# Altium PCB CAN_Current_Module.PcbDoc (part 1 of 2) (continued)
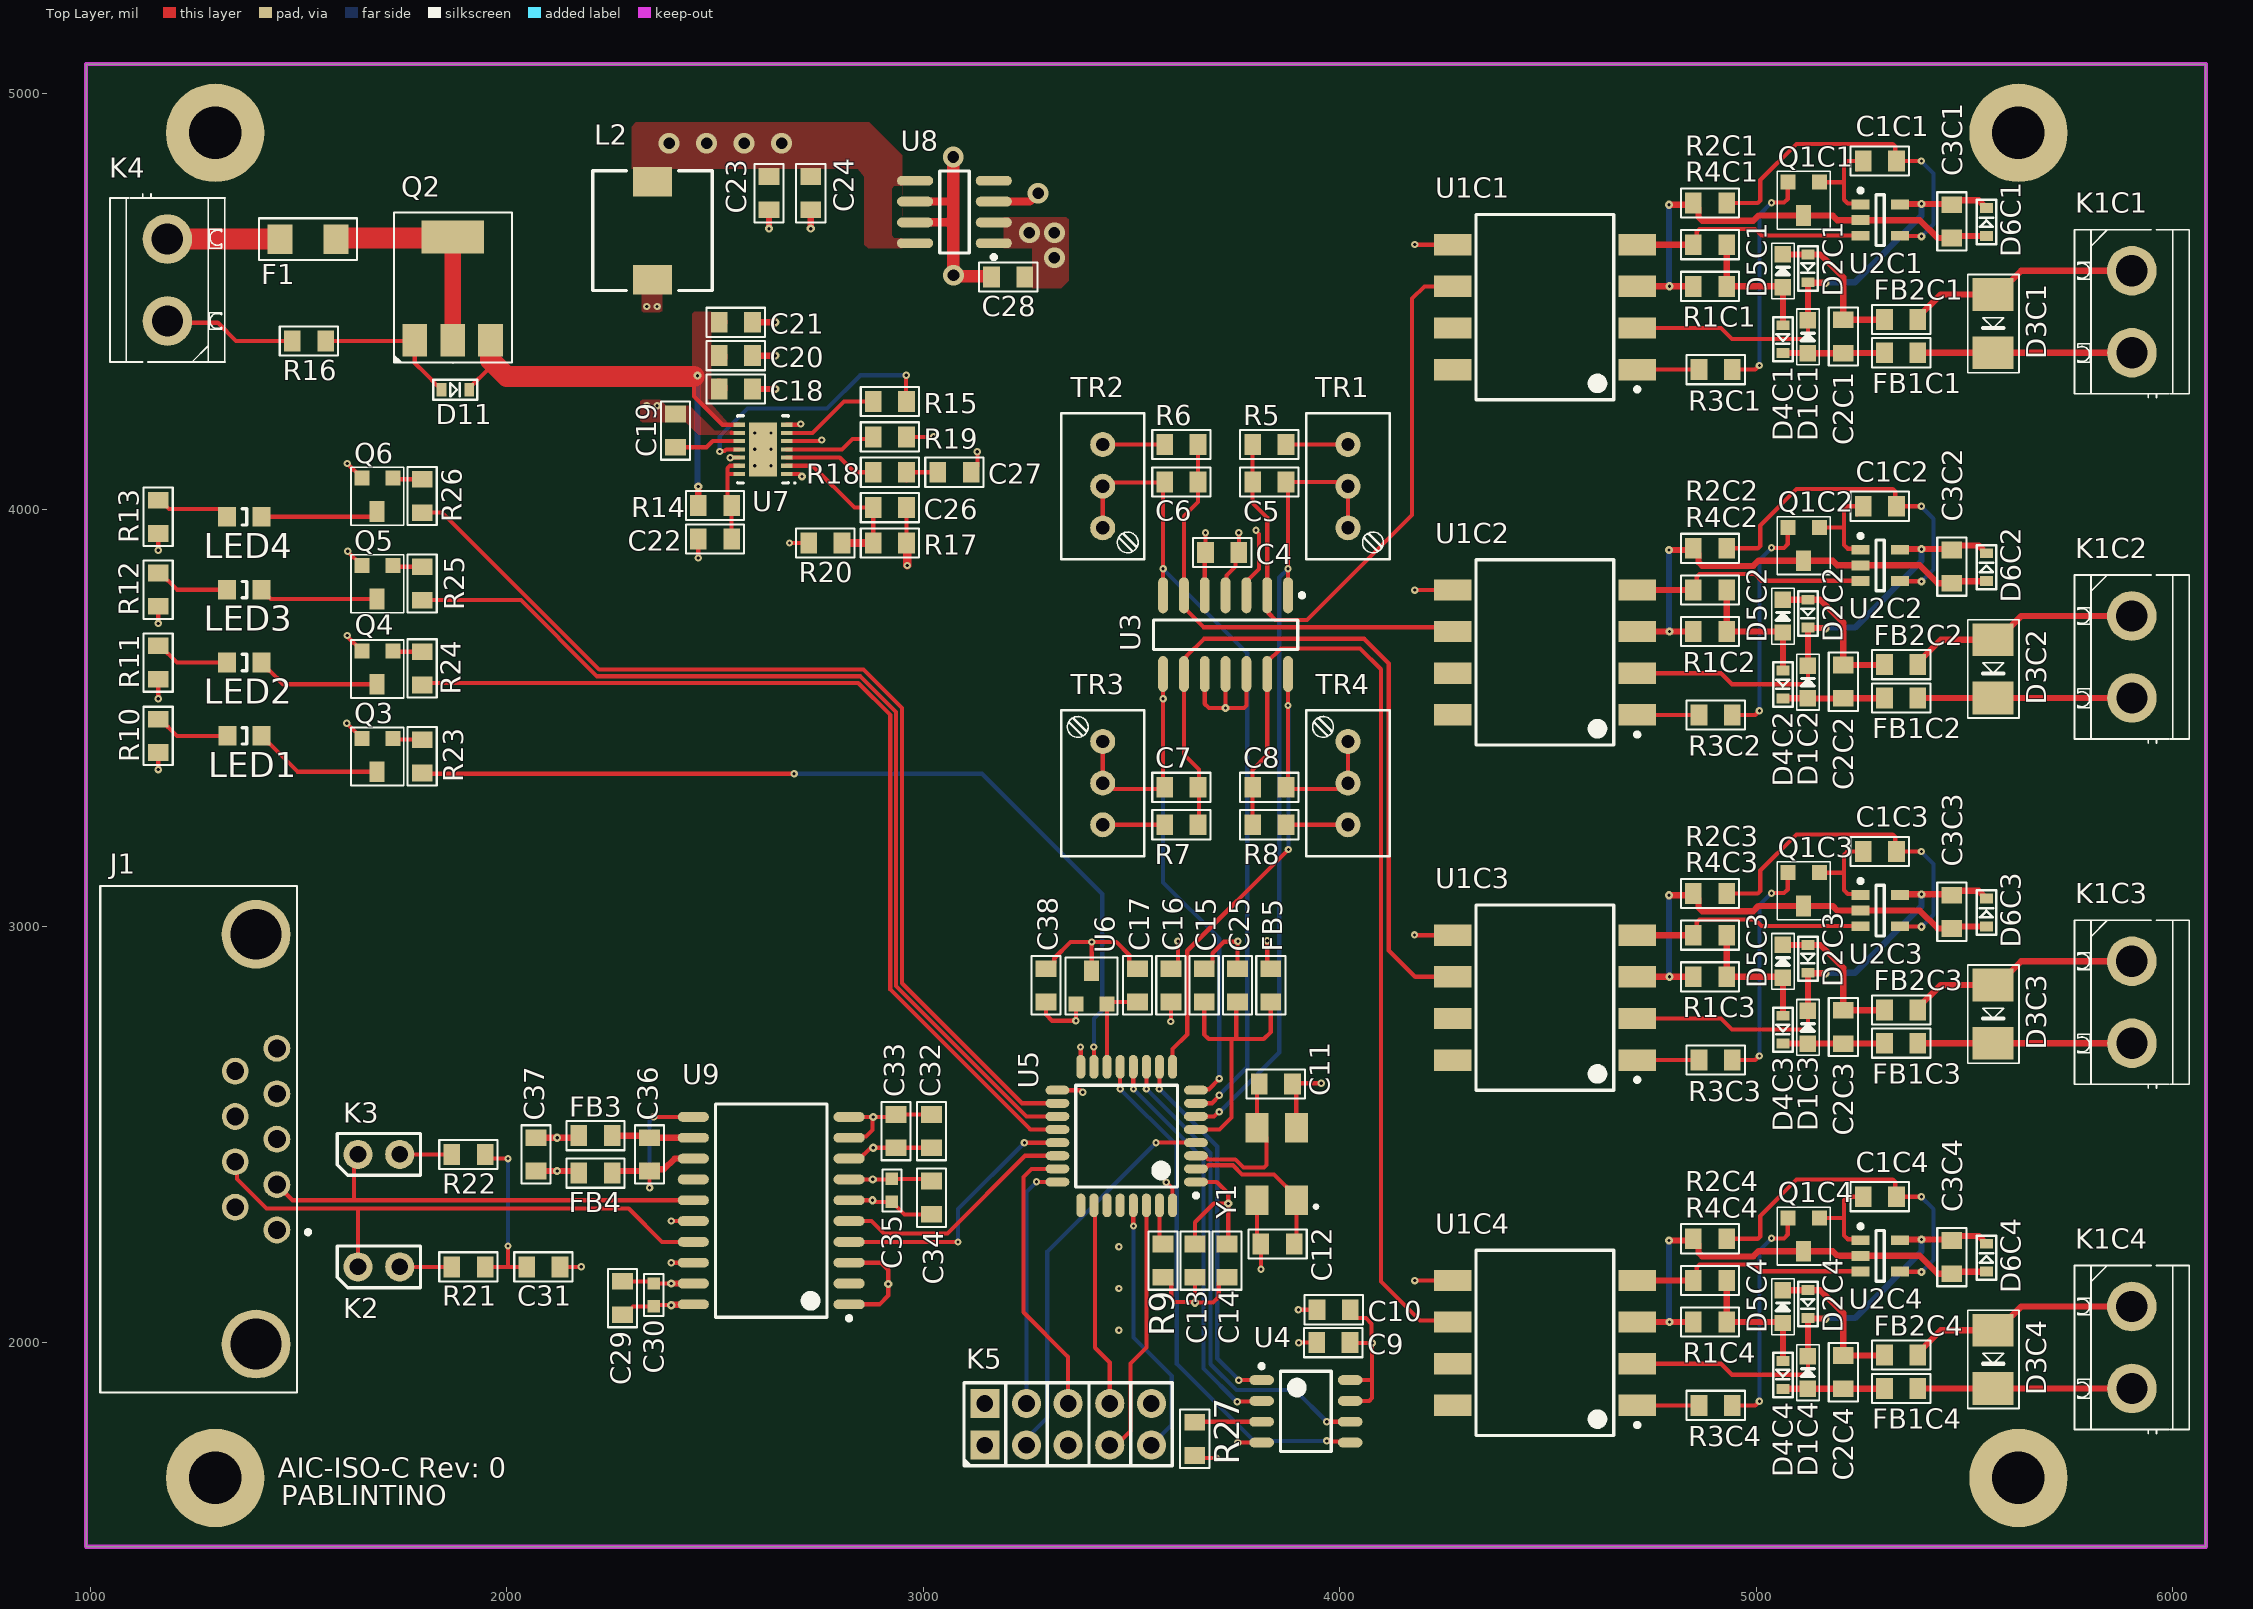
[diagram p0: Top Layer view]
## Design rules (kind name [scope] priority, off if disabled: settings)
BoardOutlineClearance [All] p1: gap=7.87 ignorepadtopadclearanceinfootprint=FALSE
Clearance TOP_GND_CLEARANCE_POWER [InNamedPolygon('GND_L01_P045') vs InNet('VCC_5') Or InNet('VCC_3V3') Or InNet('NetF1_1') Or InNet('NetF1_2') Or InNet('NetC18_1') Or InNet('NetC18_2') Or    InNet('NetC19_1') Or InNet('NetC19_2') Or InNet('NetC26_1') Or InNet('NetC22_2')] p1: gap=15 ignorepadtopadclearanceinfootprint=FALSE
Clearance TOP_BOT_POUR_GND_CLEARANCE [InNamedPolygon('GND_L01_P045')Or InNamedPolygon('GND_CAN_L01_P044') Or InNamedPolygon('GND_CAN_L04_P056') Or InNamedPolygon('GND_L04_P047')] p2: gap=7 ignorepadtopadclearanceinfootprint=FALSE
Clearance BOTTOM_GND_CLEARANCE_POWER [InNamedPolygon('GND_L04_P047') vs InNet('VCC_5') Or InNet('VCC_3V3') Or InNet('NetF1_1') Or InNet('NetF1_2') Or InNet('NetC18_1') Or InNet('NetC18_2') Or    InNet('NetC19_1') Or InNet('NetC19_2') Or InNet('NetC26_1')] p3: gap=15 ignorepadtopadclearanceinfootprint=FALSE
Clearance GND_PLANE_CLEARANCE [OnLayer('GND Plane')] p4: gap=15 ignorepadtopadclearanceinfootprint=FALSE
Clearance VCC_PLANE_CLEARANCE [OnLayer('VCC Plane')] p5: gap=15 ignorepadtopadclearanceinfootprint=FALSE
Clearance [All] p6: gap=4 ignorepadtopadclearanceinfootprint=FALSE except(5: Arc-Via Track-Via SMDPad-Via THPad-Via Via-Via Via-Fill Via-Poly Via-Region Via-Text; 9.84: Arc-Hole Track-Hole SMDPad-Hole THPad-Hole Via-Hole Fill-Hole Poly-Hole Region-Hole Text-Hole)
ComponentClearance [All] p1: gap=4 collisioncheckmode=3 verticalgap=4 showdistances=TRUE
DiffPairsRouting [All] p1: maxlimit=4 minlimit=4 mostfreqgap=4 toplayer_minwidth=4 toplayer_maxwidth=71497.94 toplayer_prefwidth=4 midlayer1_minwidth=4 midlayer1_maxwidth=71497.94 midlayer1_prefwidth=4 midlayer2_minwidth=4 midlayer2_maxwidth=71497.94 midlayer2_prefwidth=4 bottomlayer_minwidth=4 bottomlayer_maxwidth=71497.94 bottomlayer_prefwidth=4 maxuncoupledlength=500
Height [All] p1: minheight=0 maxheight=71497.94 prefheight=500
HoleSize [All] p1: absolutevalues=TRUE maxlimit=248.03 minlimit=7.87 maxpercent=80.000 minpercent=20.000
HoleToHoleClearance [All] p1: gap=9.84 allowstackedmicrovias=FALSE
MinimumAnnularRing [All] p1: minimumring=3
MinimumSolderMaskSliver [All] p1: minsoldermaskwidth=0
PlaneClearance [All] p1: clearance=8
PlaneConnect PlaneConnectPowerPads [InPadClass('PowerPads')] p1: planeconnectstyle=Direct reliefexpansion=20 reliefentries=4 reliefconductorwidth=10 reliefairgap=10
PlaneConnect [All] p2: planeconnectstyle=Direct reliefexpansion=11.81 reliefentries=4 reliefconductorwidth=4 reliefairgap=4
PolygonConnect VCC_IN_POL_STYLE [All vs IsNamedPolygon('NETC19_1_L01_P016') Or IsNamedPolygon('NETC19_1_L01_P017') Or IsNamedPolygon('NETC19_1_L04_P018') Or IsNamedPolygon('NETC18_2_L01_P021') Or IsNamedPolygon('NETC19_1_L01_P030') Or IsNamedPolygon('VCC_5_L01_P033')    Or IsNamedPolygon('VCC_5_L01_P034')    Or IsNamedPolygon('VCC_3V3_L01_P035')  Or IsNamedPolygon('VCC_3V3_L01_P036')  Or IsNamedPolygon('GND_CAN_L03_P052')  Or IsNamedPolygon('GND_CAN_L04_P056')] p1: connectstyle=Direct reliefconductorwidth=10 reliefentries=4 polygonreliefangle="90 Angle" airgapwidth=10
PolygonConnect GND_POLYGONS_CONNECTION [All vs IsNamedPolygon('GND_CAN_L01_P044') Or IsNamedPolygon('GND_L01_P045')     Or IsNamedPolygon('GND_CAN_L04_P056') Or IsNamedPolygon('GND_L04_P047')] p2: connectstyle=Relief reliefconductorwidth=10 reliefentries=4 polygonreliefangle="90 Angle" airgapwidth=7
PolygonConnect PolygonConnectPowerPads [All vs (InPadClass('PowerPads'))] p3: connectstyle=Direct reliefconductorwidth=10 reliefentries=4 polygonreliefangle="90 Angle" airgapwidth=10
PolygonConnect [All] p4: thpad.connectstyle=Relief thpad.reliefconductorwidth=4 thpad.reliefentries=4 thpad.polygonreliefangle="90 Angle" thpad.airgapwidth=4 smdpad.connectstyle=Relief smdpad.reliefconductorwidth=4 smdpad.reliefentries=4 smdpad.polygonreliefangle="90 Angle" smdpad.airgapwidth=4 via.connectstyle=Direct via.reliefconductorwidth=5 via.reliefentries=4 via.polygonreliefangle="90 Angle" via.airgapwidth=5
RoomDefinition ARM1 [InComponentClass('ARM1')] p1: confinementstyle=ConfineIn formatcopy=TRUE lockcomponents=FALSE outline 4216,4146 6080.41,4146 6080.41,4975 4216,4975
RoomDefinition ARM4 [InComponentClass('ARM4')] p2: confinementstyle=ConfineIn formatcopy=TRUE lockcomponents=FALSE outline 4216,1659 6080.41,1659 6080.41,2488 4216,2488
RoomDefinition ARM3 [InComponentClass('ARM3')] p3: confinementstyle=ConfineIn formatcopy=TRUE lockcomponents=FALSE outline 4216,2488 6080.41,2488 6080.41,3317 4216,3317
RoomDefinition ARM2 [InComponentClass('ARM2')] p4: confinementstyle=ConfineIn formatcopy=TRUE lockcomponents=FALSE outline 4216,3317 6080.41,3317 6080.41,4146 4216,4146
RoutingVias [All] p1: holewidth=7.87 width=17.72 viastyle="Through Hole" minholewidth=7.87 minwidth=17.72 maxholewidth=248.03 maxwidth=257.87
SilkToSilkClearance [All] p1: silktosilkclearance=0
SilkToSolderMaskClearance [IsPad] p1: minsilkscreentomaskgap=4 clearancetoexposedcopper=TRUE
SolderMaskExpansion [All] p1: expansion=2.95 istentingtop=FALSE
Width [All] p1: maxlimit=71497.94 minlimit=4 preferedwidth=4
20 further rules are at their usual default settings.

## Classes and differential pairs
polygon class DirectConnectClass: NETC19_1_L01_P017
channel class AnalogReceiverModule: ARM1 ARM2 ARM3 ARM4
net class ISOIN[1..4]: ISOIN1 ISOIN2 ISOIN3 ISOIN4
net class AICHN[1..4]: AICHN1 AICHN2 AICHN3 AICHN4
component class U_PowerModule: C18 C19 C20 C21 C22 C23 C24 C26 C27 C28 D11 F1 K4 L2 Q2 R14 R15 R16 R17 R18 R19 R20 U7 U8
component class U_CPU: C9 C10 C11 C12 C13 C14 C15 C16 C17 C25 C38 FB5 K5 LED1 LED2 LED3 LED4 Q3 Q4 Q5 Q6 R9 R10 R11 R12 R13 R23 R24 R25 R26 R27 U4 U5 U6 Y1
component class U_CanTransceiver: C29 C30 C31 C32 C33 C34 C35 C36 C37 FB3 FB4 J1 K2 K3 R21 R22 U9
component class U_AnalogueIsolatedReceiver: C4 C5 C6 C7 C8 R5 R6 R7 R8 TR1 TR2 TR3 TR4 U3
component class ARM4: C1C4 C2C4 C3C4 D1C4 D2C4 D3C4 D4C4 D5C4 D6C4 FB1C4 FB2C4 K1C4 Q1C4 R1C4 R2C4 R3C4 R4C4 U1C4 U2C4
component class ARM3: C1C3 C2C3 C3C3 D1C3 D2C3 D3C3 D4C3 D5C3 D6C3 FB1C3 FB2C3 K1C3 Q1C3 R1C3 R2C3 R3C3 R4C3 U1C3 U2C3
component class ARM2: C1C2 C2C2 C3C2 D1C2 D2C2 D3C2 D4C2 D5C2 D6C2 FB1C2 FB2C2 K1C2 Q1C2 R1C2 R2C2 R3C2 R4C2 U1C2 U2C2
component class ARM1: C1C1 C2C1 C3C1 D1C1 D2C1 D3C1 D4C1 D5C1 D6C1 FB1C1 FB2C1 K1C1 Q1C1 R1C1 R2C1 R3C1 R4C1 U1C1 U2C1
differential pair OSC: +OSC_P -OSC_N

## Components (designator, comment, footprint, x,y, rotation, side; value= is the part's Value field where it differs from the comment)
C1C1 "Cap" 0805C-GENERIC 5327,4837.41 r180 top value=1nF (schematic designator C1)
C1C2 "Cap" 0805C-GENERIC 5327,4008.41 r180 top value=1nF (schematic designator C1)
C1C3 "Cap" 0805C-GENERIC 5327,3179.41 r180 top value=1nF (schematic designator C1)
C1C4 "Cap" 0805C-GENERIC 5327,2350.41 r180 top value=1nF (schematic designator C1)
C2C1 "Cap" 0805C-GENERIC 5209.41,4446 r270 top value=10nF (schematic designator C2)
C2C2 "Cap" 0805C-GENERIC 5209.41,3617 r270 top value=10nF (schematic designator C2)
C2C3 "Cap" 0805C-GENERIC 5209.41,2788 r270 top value=10nF (schematic designator C2)
C2C4 "Cap" 0805C-GENERIC 5209.41,1959 r270 top value=10nF (schematic designator C2)
C3C1 "Cap" 0805C-GENERIC 5470,4662.41 r90 top value=100nF (schematic designator C3)
C3C2 "Cap" 0805C-GENERIC 5470,3833.41 r90 top value=100nF (schematic designator C3)
C3C3 "Cap" 0805C-GENERIC 5470,3004.41 r90 top value=100nF (schematic designator C3)
C3C4 "Cap" 0805C-GENERIC 5470,2175.41 r90 top value=100nF (schematic designator C3)
C4 "Cap" 0805C-GENERIC 3748,3897.49 r180 top value=100nF
C5 "Cap" 0805C-GENERIC 3861,4066.49 r180 top value=1nF
C6 "Cap" 0805C-GENERIC 3590,4066.49 r0 top value=1nF
C7 "Cap" 0805C-GENERIC 3590,3333.49 r0 top value=1nF
C8 "Cap" 0805C-GENERIC 3861,3333.49 r180 top value=1nF
C9 "Cap" 0805C-GENERIC 3954.69,2000 r0 top value=100nF
C10 "Cap" 0805C-GENERIC 3955.69,2079 r0 top value=10nF
C11 "Cap" 0805C-GENERIC 3876.68,2621 r180 top value=20pF
C12 "Cap" 0805C-GENERIC 3820.93,2237 r0 top value=20pF
C13 "Cap" 0805C-GENERIC 3652.68,2167 r90 top value=100nF
C14 "Cap" 0805C-GENERIC 3729.68,2167 r90 top value=10nF
C15 "Cap" 0805C-GENERIC 3674.68,2888 r270 top value=1uF
C16 "Cap" 0805C-GENERIC 3594.68,2888 r270 top value=100nF
C17 "Cap" 0805C-GENERIC 3514.68,2888 r270 top value=680pF
C18 "Cap" 0805C-GENERIC 2580,4290 r180 top value=1uF
C19 "Cap" 0805C-GENERIC 2405,4220 r270 top value=0.1uF
C20 "Cap" 0805C-GENERIC 2580,4370 r180 top value=10uF
C21 "Cap" 0805C-GENERIC 2580,4450 r180 top value=10uF
C22 "Cap" 0805C-GENERIC 2470,3930 r0 top value=2.2uF
C23 "Cap" 0805C-GENERIC 2630,4730 r90 top value=4.7uF
C24 "Cap" 0805C-GENERIC 2730,4730 r90 top value=4.7uF
C25 "Cap" 0805C-GENERIC 3754.68,2888 r270 top value=100nF
C26 "Cap" 0805C-GENERIC 2890,4005 r0 top value=5.6pF
C27 "Cap" 0805C-GENERIC 3105,4090 r180 top value=180pF
C28 "Cap" 0805C-GENERIC 3174,4559 r0 top value=10uF
C29 "Cap" 0805C-GENERIC 2278,2137 r270 top value=100nF
C30 "Cap" 0603C-GENERIC 2353,2142 r270 top value=10nF
C31 "Cap" 0805C-GENERIC 2118,2182 r180 top value=47nF
C32 "Cap" 0805C-GENERIC 3020,2538 r270 top value=10uF
C33 "Cap" 0805C-GENERIC 2935,2538 r270 top value=100nF
C34 "Cap" 0805C-GENERIC 3020,2378 r270 top value=100nF
C35 "Cap" 0603C-GENERIC 2925,2393 r270 top value=10nF
C36 "Cap" 0805C-GENERIC 2343,2422 r90 top value=100nF
C37 "Cap" 0805C-GENERIC 2070,2422 r90 top value=10uF
C38 "Cap" 0805C-GENERIC 3294.68,2888 r270 top value=10nF
D1C1 "BAT46" SOD323 5124.41,4376 r270 top (schematic designator D1)
D1C2 "BAT46" SOD323 5124.41,3547 r270 top (schematic designator D1)
D1C3 "BAT46" SOD323 5124.41,2718 r270 top (schematic designator D1)
D1C4 "BAT46" SOD323 5124.41,1889 r270 top (schematic designator D1)
D2C1 "CDSU101A" SOD523 5124.41,4546.07 r90 top (schematic designator D2)
D2C2 "CDSU101A" SOD523 5124.41,3717.07 r90 top (schematic designator D2)
D2C3 "CDSU101A" SOD523 5124.41,2888.07 r90 top (schematic designator D2)
D2C4 "CDSU101A" SOD523 5124.41,2059.07 r90 top (schematic designator D2)
D3C1 "SM6T39CA" DO214AA 5569.41,4551.21 r90 top (schematic designator D3)
D3C2 "SM6T39CA" DO214AA 5569.41,3722.21 r90 top (schematic designator D3)
D3C3 "SM6T39CA" DO214AA 5569.41,2893.21 r90 top (schematic designator D3)
D3C4 "SM6T39CA" DO214AA 5569.41,2064.21 r90 top (schematic designator D3)
D4C1 "CDSU101A" SOD523 5064.41,4376.07 r90 top (schematic designator D4)
D4C2 "CDSU101A" SOD523 5064.41,3547.07 r90 top (schematic designator D4)
D4C3 "CDSU101A" SOD523 5064.41,2718.07 r90 top (schematic designator D4)
D4C4 "CDSU101A" SOD523 5064.41,1889.07 r90 top (schematic designator D4)
D5C1 "BAT46" SOD323 5064.41,4534.26 r270 top (schematic designator D5)
D5C2 "BAT46" SOD323 5064.41,3705.26 r270 top (schematic designator D5)
D5C3 "BAT46" SOD323 5064.41,2876.26 r270 top (schematic designator D5)
D5C4 "BAT46" SOD323 5064.41,2047.26 r270 top (schematic designator D5)
D6C1 "BZX585-3V3" SOD523 5553,4724.41 r270 top (schematic designator D6)
D6C2 "BZX585-3V3" SOD523 5553,3895.41 r270 top (schematic designator D6)
D6C3 "BZX585-3V3" SOD523 5553,3066.41 r270 top (schematic designator D6)
D6C4 "BZX585-3V3" SOD523 5553,2237.41 r270 top (schematic designator D6)
D11 "BZX585-10" SOD523 1910,4288 r180 top
F1 "1206L035" 1206-polyswitch 1455,4650 r0 top
FB1C1 "600Z" 0805FB-600Z 5378.41,4377 r180 top (schematic designator FB1)
FB1C2 "600Z" 0805FB-600Z 5378.41,3548 r180 top (schematic designator FB1)
FB1C3 "600Z" 0805FB-600Z 5378.41,2719 r180 top (schematic designator FB1)
FB1C4 "600Z" 0805FB-600Z 5378.41,1890 r180 top (schematic designator FB1)
FB2C1 "600Z" 0805FB-600Z 5378.41,4457 r180 top (schematic designator FB2)
FB2C2 "600Z" 0805FB-600Z 5378.41,3628 r180 top (schematic designator FB2)
FB2C3 "600Z" 0805FB-600Z 5378.41,2799 r180 top (schematic designator FB2)
FB2C4 "600Z" 0805FB-600Z 5378.41,1970 r180 top (schematic designator FB2)
FB3 "1K8Z" 0805FB-GENERIC 2243,2497 r180 top
FB4 "1K8Z" 0805FB-GENERIC 2243,2407 r180 top
FB5 "600Z" 0805FB-GENERIC 3834.68,2888 r270 top
J1 "DSUB9-HARTING" HARTING_09681537613 1398,2488.61 r270 top
K1C1 "PRKR2" PRKR2 5902.17,4573.82 r180 top (schematic designator K1)
K1C2 "PRKR2" PRKR2 5902.17,3744.82 r180 top (schematic designator K1)
K1C3 "PRKR2" PRKR2 5902.17,2915.82 r180 top (schematic designator K1)
K1C4 "PRKR2" PRKR2 5902.17,2086.82 r180 top (schematic designator K1)
K2 "JMPR2" JMPR2 1643,2182 r90 top
K3 "JMPR2" JMPR2 1643,2452 r90 top
K4 "PRKR2" PRKR2 1185.24,4453.18 r0 top
K5 "ICD Connector" HEADER-2X5 3148,1754 r90 top
L2 "10uH" INDP7070X34N 2350,4670 r90 top
LED1 "150080GS75000" 0805_A#1 1370,3457 r180 top
LED2 "150080GS75000" 0805_A#2 1370,3633 r180 top
LED3 "150080GS75000" 0805_A#2 1370,3808 r180 top
LED4 "150080GS75000" 0805_A#2 1370,3983 r180 top
Q1C1 "MMBT3906" SOT23-BCE 5152,4786.41 r270 top (schematic designator Q1)
Q1C2 "MMBT3906" SOT23-BCE 5152,3957.41 r270 top (schematic designator Q1)
Q1C3 "MMBT3906" SOT23-BCE 5152,3128.41 r270 top (schematic designator Q1)
Q1C4 "MMBT3906" SOT23-BCE 5152,2299.41 r270 top (schematic designator Q1)
Q2 "BSP613P" SOT223 1870,4514 r0 top
Q3 "MMBT3904" SOT23-BCE 1727,3451 r270 top
Q4 "MMBT3904" SOT23-BCE 1727,3661 r270 top
Q5 "MMBT3904" SOT23-BCE 1727,3866 r270 top
Q6 "MMBT3904" SOT23-BCE 1727,4076 r270 top
R1C1 "Res1" 0805R-GENERIC 4859.41,4536.41 r0 top value=25 (schematic designator R1)
R1C2 "Res1" 0805R-GENERIC 4859.41,3707.41 r0 top value=25 (schematic designator R1)
R1C3 "Res1" 0805R-GENERIC 4859.41,2878.41 r0 top value=25 (schematic designator R1)
R1C4 "Res1" 0805R-GENERIC 4859.41,2049.41 r0 top value=25 (schematic designator R1)
R2C1 "Res1" 0805R-GENERIC 4859.41,4736.41 r0 top value=10K (schematic designator R2)
R2C2 "Res1" 0805R-GENERIC 4859.41,3907.41 r0 top value=10K (schematic designator R2)
R2C3 "Res1" 0805R-GENERIC 4859.41,3078.41 r0 top value=10K (schematic designator R2)
R2C4 "Res1" 0805R-GENERIC 4859.41,2249.41 r0 top value=10K (schematic designator R2)
R3C1 "Res1" 0805R-GENERIC 4933,4336.41 r180 top value=100 (schematic designator R3)
R3C2 "Res1" 0805R-GENERIC 4933,3507.41 r180 top value=100 (schematic designator R3)
R3C3 "Res1" 0805R-GENERIC 4933,2678.41 r180 top value=100 (schematic designator R3)
R3C4 "Res1" 0805R-GENERIC 4933,1849.41 r180 top value=100 (schematic designator R3)
R4C1 "Res1" 0805R-GENERIC 4859.41,4636.41 r0 top value=10K (schematic designator R4)
R4C2 "Res1" 0805R-GENERIC 4859.41,3807.41 r0 top value=10K (schematic designator R4)
R4C3 "Res1" 0805R-GENERIC 4859.41,2978.41 r0 top value=10K (schematic designator R4)
R4C4 "Res1" 0805R-GENERIC 4859.41,2149.41 r0 top value=10K (schematic designator R4)
R5 "Res1" 0805R-GENERIC 3861,4156.49 r180 top value=47.5K
R6 "Res1" 0805R-GENERIC 3590,4156.49 r0 top value=47.5K
R7 "Res1" 0805R-GENERIC 3590,3243.49 r0 top value=47.5K
R8 "Res1" 0805R-GENERIC 3861,3243.49 r180 top value=47.5K
R9 "Res1" 0805R-GENERIC 3575.68,2227 r270 top value=10K
R10 "Res1" 0805R-GENERIC 1163,3427 r90 top value=270
R11 "Res1" 0805R-GENERIC 1163,3603 r90 top value=270
R12 "Res1" 0805R-GENERIC 1163,3778 r90 top value=270
R13 "Res1" 0805R-GENERIC 1163,3953 r90 top value=270
R14 "Res1" 0805R-GENERIC 2470,4010 r0 top value=2
R15 "Res1" 0805R-GENERIC 2950,4260 r180 top value=100K
R16 "Res1" 0805R-GENERIC 1555,4405 r180 top value=100k
R17 "Res1" 0805R-GENERIC 2890,3920 r0 top value=619K
R18 "Res1" 0805R-GENERIC 2950,4090 r180 top value=124k
R19 "Res1" 0805R-GENERIC 2950,4175 r180 top value=60.4k
R20 "Res1" 0805R-GENERIC 2735,3920 r0 top value=84.5K
R21 "Res1" 0805R-GENERIC 1938,2182 r180 top value=60.4
R22 "Res1" 0805R-GENERIC 1938,2452 r180 top value=60.4
R23 "Res1" 0805R-GENERIC 1797,3378 r90 top value=10k
R24 "Res1" 0805R-GENERIC 1797,3589 r90 top value=10k
R25 "Res1" 0805R-GENERIC 1797,3793 r90 top value=10k
R26 "Res1" 0805R-GENERIC 1797,4003 r90 top value=10k
R27 "Res1" 0805R-GENERIC 3652,1799 r270 top value=100K
TR1 "50K" TRIMMER-MT 4020,4156.49 r270 top
TR2 "50K" TRIMMER-MT 3431,4156.49 r270 top
TR3 "50K" TRIMMER-MT 3431,3243.49 r90 top
TR4 "50K" TRIMMER-MT 4020,3243.49 r90 top
U1C1 "HCNR200" SOP254P1230X400-8N-GWS 4493,4486.41 r180 top (schematic designator U1)
U1C2 "HCNR200" SOP254P1230X400-8N-GWS 4493,3657.41 r180 top (schematic designator U1)
U1C3 "HCNR200" SOP254P1230X400-8N-GWS 4493,2828.41 r180 top (schematic designator U1)
U1C4 "HCNR200" SOP254P1230X400-8N-GWS 4493,1999.41 r180 top (schematic designator U1)
U2C1 "TLV2371IDBVRG4" TI-DBV5_N 5298,4695.41 r0 top (schematic designator U2)
U2C2 "TLV2371IDBVRG4" TI-DBV5_N 5298,3866.41 r0 top (schematic designator U2)
U2C3 "TLV2371IDBVRG4" TI-DBV5_N 5298,3037.41 r0 top (schematic designator U2)
U2C4 "TLV2371IDBVRG4" TI-DBV5_N 5298,2208.41 r0 top (schematic designator U2)
U3 "TLV2374IDG4" TI-D14_N 3726,3700 r270 top
U4 "25LC512" SOIC127P600-8N 3919,1835 r0 top
U5 "STM32F303K8" TQFP80P900X900X160-32N 3488.68,2496 r180 top
U6 "TMP235" SOT23-123 3366.68,2813 r90 top
U7 "LTC3646HDE-1#TRPBF" LT-DE-14_V 2615,4145 r180 top
U8 "LT1763IS8-3.3#TRPBF" LT-S8-8_N 3075,4715 r180 top
U9 "ADM3053" SOIC127P1030X265-20N-WIDE 2635.01,2317 r180 top
Y1 "8MHz" *OSCCC600X360X120 3848.68,2429 r180 top

## Footprints (in the part's own frame and the unit in brackets; to place one, negate y for a bottom-side part, rotate by r counter-clockwise, add the part's x,y. Pads: shape width x height; smd on the part's side, far side on the other; paste and mask are expansions set on the pad)
0603C-GENERIC [mil] "CAPACITOR 0603"
  rect 30x30 smd: 1(0,0) 2(55,0)
  silkscreen extent -23,-23 78,23, body extent -4,-15 59,15, height 19
0805_A#1 [mm] "Chip LED, 2-Leads, Body 2.0x1.3mm, IPC Medium Density"
  rect 1.1x1.2 smd: 1(-1.05,0) 2(1.041,0)
  silkscreen extent -0.15,-0.5 0.15,0.5, body extent -1,-0.62 1,0.63, height 0.8
0805_A#2 [mm] "Chip LED, 2-Leads, Body 2.0x1.3mm, IPC Medium Density"
  rect 1.1x1.2 smd: 1(-1.05,0) 2(1.05,0)
  silkscreen extent -0.15,-0.5 0.15,0.5, body extent -1,-0.62 1,0.63, height 0.8
0805C-GENERIC [mil] "CAPACITOR 0805"
  rect 40x50 smd: 1(-10,0) 2(70,0)
  silkscreen extent -40,-35 100,35, body extent -11,-25 70,25, height 26
0805FB-600Z [mil] "FERRITE BEAD 0805"
  rect 40x50 smd: 1(-10,0) 2(70,0)
  silkscreen extent -40,-35 100,35, body extent -11,-25 70,25, height 26
0805FB-GENERIC [mil] "FERRITE BEAD 0805"
  rect 40x50 smd: 1(-10,0) 2(70,0)
  silkscreen extent -40,-35 100,35, body extent -11,-25 70,25, height 26
0805R-GENERIC [mil] "RESISTOR 0805"
  rect 40x50 smd: 1(-10,0) 2(70,0)
  silkscreen extent -40,-35 100,35, body extent -11,-25 70,25, height 27
1206-polyswitch [mil]
  rect 60x70.87 smd: 1(0,0) 2(135,0)
  silkscreen extent -50,-50 185,50, body extent -8,-29 147,29, height 46
*OSCCC600X360X120 [mm]
  rect 1.4x1.8 smd: 1(-1.2,2.2) 2(-1.2,-2.2) 3(1.2,-2.2) 4(1.2,2.2)
  silkscreen extent -2.5,2.5 -2.3,2.7
DO214AA [mm]
  rect 2x2.5 smd: A(-0.875,0) K(-4.425,0)
  silkscreen extent -5.65,-1.58 0.35,1.55, body extent -5.2,-1.3 0,1.3, height 2.4
HARTING_09681537613 [mm]
  round 1.635 hole 1.09: 1(5.54,1.27) 2(2.77,1.27) 3(0,1.27) 4(-2.77,1.27) 5(-5.54,1.27) 6(4.15,-1.27) 7(1.38,-1.27) 8(-1.38,-1.27) 9(-4.15,-1.27)
  round 4.2 hole 3.1: S1(-12.5,0) S2(12.5,0)
  silkscreen extent -15.45,-9.5 15.45,3.27
HEADER-2X5 [mil]
  rect 70x70 hole 40: 1(0,0) 2(100,0)
  round 70 hole 40: 3(0,-100) 4(100,-100) 5(0,-200) 6(100,-200) 7(0,-300) 8(100,-300) 9(0,-400) 10(100,-400)
  silkscreen extent -50,-450 150,50, body extent -50,-450 150,50, height 470
INDP7070X34N [mm] "Precision Wire Wound Inductor, 2-Leads, Body 7,00x7,00mm, IPC Medium Density"
  rect 1.8x2.4 smd: 1(-3,0) 2(3,0)
  silkscreen extent -3.65,-3.65 3.65,3.65, body extent -3.65,-3.65 3.65,3.65, height 3.4
JMPR2 [mil]
  round 70 hole 40: 1(0,0) 2(0,-100)
  silkscreen extent -50,-150 50,50, body extent -50,-150 50,50, height 300
LT-DE-14_V [mm] "SON, 14-Leads, Body 4x3mm, Pitch 0.5mm, Thermal Pad 3.3x1.7mm"
  rect 0.7x0.25 smd: 1(-1.45,1.5) 2(-1.45,1) 3(-1.45,0.5) 4(-1.45,0) 5(-1.45,-0.5) 6(-1.45,-1) 7(-1.45,-1.5) 8(1.45,-1.5) 9(1.45,-1) 10(1.45,-0.5) 11(1.45,0) 12(1.45,0.5) 13(1.45,1) 14(1.45,1.5)
  rect 1.7x3.3 smd: 15(0,0)
  silkscreen extent -2,-2.05 1.55,2.1, body extent -1.5,-2 1.5,2, height 0.8
LT-S8-8_N [mm] "SOIC, 8-Leads, Body 4.9x3.9mm, Pitch 1.27mm, IPC Medium Density"
  oval 2.2x0.6 smd: 1(-2.4,1.905) 2(-2.4,0.635) 3(-2.4,-0.635) 4(-2.4,-1.905) 5(2.4,-1.905) 6(2.4,-0.635) 7(2.4,0.635) 8(2.4,1.905)
  silkscreen extent -2.53,-2.5 0.9,2.88, body extent -2,-2.5 2,2.5, height 1.76
PRKR2 [mil]
  round 119 hole 75: 1(0,0) 2(-0.24,196.82)
  silkscreen extent -138,-98 138,305, body extent -160,-115 160,309, height 398
SOD323 [mm]
  rect 1x1 smd: A(0,0) K(-2,0)
  silkscreen extent -2.69,-0.69 0.71,0.69, body extent -2.23,-0.65 0.18,0.65, height 0.74
SOD523 [mm]
  rect 0.6x0.8 smd: A(1.7,0) K(0,0)
  silkscreen extent -0.5,-0.6 2.2,0.6, body extent -0.05,-0.53 1.75,0.55, height 0.53
SOIC127P600-8N [mm]
  oval 1.5x0.6 smd: 1(-2.7,1.905) 2(-2.7,0.635) 3(-2.7,-0.635) 4(-2.7,-1.905) 5(2.7,-1.905) 6(2.7,-0.635) 7(2.7,0.635) 8(2.7,1.905)
  silkscreen extent -2.82,-2.45 1.55,2.88, body extent -1.95,-2.45 1.95,2.45, height 1.75
SOIC127P1030X265-20N-WIDE [mm] "SOIC-W, 20-Leads, Body 12,80x7,50mm, Pitch 1,27mm, IPC Medium Density"
  oval 1.9x0.6 smd: 1(-4.75,5.715) 2(-4.75,4.445) 3(-4.75,3.175) 4(-4.75,1.905) 5(-4.75,0.635) 6(-4.75,-0.635) 7(-4.75,-1.905) 8(-4.75,-3.175) 9(-4.75,-4.445) 10(-4.75,-5.715) 11(4.75,-5.715) 12(4.75,-4.445) 13(4.75,-3.175) 14(4.75,-1.905) 15(4.75,-0.635) 16(4.75,0.635) 17(4.75,1.905) 18(4.75,3.175) 19(4.75,4.445) 20(4.75,5.715)
  silkscreen extent -4.88,-6.5 3.4,6.69, body extent -3.8,-6.5 3.8,6.5, height 2.65
SOP254P1230X400-8N-GWS [mm] "SOP, 8-Leads, Body 11,15x8,95mm, Pitch 2,54mm, IPC Medium Density"
  rect 2.29x1.3 smd: 1(-5.625,3.81) 2(-5.625,1.27) 3(-5.625,-1.27) 4(-5.625,-3.81) 5(5.625,-3.81) 6(5.625,-1.27) 7(5.625,1.27) 8(5.625,3.81)
  silkscreen extent -5.75,-5.65 4.2,5.65, body extent -6.15,-5.65 6.15,5.65, height 4
SOT23-123 [mil]
  rect 36x36 smd: 1(0,0) 2(0,-75)
  rect 50x36 smd: 3(80,-38)
  silkscreen extent -25,-100 112,25, body extent -3,-95 94,20, height 41
SOT23-BCE [mil]
  rect 36x36 smd: B(0,0) E(0,-75)
  rect 50x36 smd: C(80,-38)
  silkscreen extent -26,-101 113,26, body extent -3,-95 94,20, height 41
SOT223 [mil]
  rect 59x79 smd: 1(-91,-107) 2(0,-107) 3(91,-107)
  rect 150x79 smd: 4(0,141)
  silkscreen extent -141,-161 143,200, body extent -131,-105 135,162, height 51
TI-D14_N [mm] "SOIC, 14-Leads, Body 8.65x3.9mm, Pitch 1.27mm, IPC Medium Density"
  oval 2.2x0.6 smd: 1(-2.4,3.81) 2(-2.4,2.54) 3(-2.4,1.27) 4(-2.4,0) 5(-2.4,-1.27) 6(-2.4,-2.54) 7(-2.4,-3.81) 8(2.4,-3.81) 9(2.4,-2.54) 10(2.4,-1.27) 11(2.4,0) 12(2.4,1.27) 13(2.4,2.54) 14(2.4,3.81)
  silkscreen extent -2.52,-4.4 0.9,4.79, body extent -2,-4.38 2,4.38, height 1.75
TI-DBV5_N [mm] "SOT23, 5-Leads, Body 2.9x1.6mm, Pitch 0.95mm, IPC Medium Density"
  rect 1.1x0.6 smd: 1(-1.2,0.95) 2(-1.2,0) 3(-1.2,-0.95) 4(1.2,-0.95) 5(1.2,0.95)
  silkscreen extent -1.32,-1.55 0.25,1.92, body extent -0.87,-1.52 0.87,1.53, height 1.45
TQFP80P900X900X160-32N [mm] "TQFP, 32-Leads, Body 7,00x7,00mm, Pitch 0,80mm, IPC Medium Density"
  oval 1.45x0.55 smd: 1(-4.225,2.8) 2(-4.225,2) 3(-4.225,1.2) 4(-4.225,0.4) 5(-4.225,-0.4) 6(-4.225,-1.2) 7(-4.225,-2) 8(-4.225,-2.8) 17(4.225,-2.8) 18(4.225,-2) 19(4.225,-1.2) 20(4.225,-0.4) 21(4.225,0.4) 22(4.225,1.2) 23(4.225,2) 24(4.225,2.8)
  oval 0.55x1.45 smd: 9(-2.8,-4.225) 10(-2,-4.225) 11(-1.2,-4.225) 12(-0.4,-4.225) 13(0.4,-4.225) 14(1.2,-4.225) 15(2,-4.225) 16(2.8,-4.225) 25(2.8,4.225) 26(2,4.225) 27(1.2,4.225) 28(0.4,4.225) 29(-0.4,4.225) 30(-1.2,4.225) 31(-2,4.225) 32(-2.8,4.225)
  silkscreen extent -4.35,-3.1 3.1,3.75, body extent -3.5,-3.5 3.5,3.5, height 1.6
TRIMMER-MT [mil]
  round 60 hole 32: 1(0,0) 2(200,0) W(100,0)
  silkscreen extent -75,-100 275,100

## Part data
C1C1 C1C2 C1C3 C1C4 C2C1 C2C2 C2C3 C2C4 C3C1 C3C2 C3C3 C3C4 C4 C5 C6 C7 C8 C9 C10 C11 C12 C13 C14 C15 C16 C17 C18 C19 C20 C21 C22 C23 C24 C25 C26 C27 C28 C29 C30 C31 C32 C33 C34 C35 C36 C37 C38: "Capacitor", LatestRevisionDate=17-Jul-2002, LatestRevisionNote="Re-released for DXP Platform.", PackageDescription="Radial Cap, Thru-Hole; 2 Leads; 0.3 in Pin Spacing", PackageReference=RAD-0.3, Published=8-Jun-2000, Publisher="Altium Limited"
D1C1 D1C2 D1C3 D1C4 D5C1 D5C2 D5C3 D5C4: library part BAT46-SOD323, "Schottky diode", Supplier Part Number 1=1727-4817-1-ND, Supplier 1=Digi-Key
D2C1 D2C2 D2C3 D2C4 D4C1 D4C2 D4C3 D4C4: "CDSU101A DIODE", Supplier Part Number 1=641-1002-1-ND, Supplier 1=Digi-Key
D3C1 D3C2 D3C3 D3C4: "Transient Surpression Diode TVS", Supplier Part Number 1=497-6498-1-ND, Supplier 1=Digi-Key
D6C1 D6C2 D6C3 D6C4: "3V3 Zener Diode", Manufacturer=STMicroelectronics, Manufacturer Part Number=SM2T6V8A, Supplier Part Number=497-7879-2-ND, Supplier Part Number 1=1727-5001-1-ND, Reel=D6, Supplier=Digi-Key, Supplier 1=Digi-Key
D11: "20V Zener Diode", Manufacturer=STMicroelectronics, Manufacturer Part Number=SM2T6V8A, Supplier Part Number=497-7879-2-ND, Supplier Part Number 1=BZX585-C10,135, Reel=D6, Supplier=Digi-Key, Supplier 1=Avnet
F1: "GENERIC FUSE", Supplier Part Number 1=576-1206L035/30WR, Supplier 1=Mouser
FB1C1 FB1C2 FB1C3 FB1C4 FB2C1 FB2C2 FB2C3 FB2C4: library part 0805FB-600Z, "FERRITE BEAD 600 OHM 2A", Reel=F5
FB3 FB4 FB5: library part 0805FB-GENERIC, "FERRITE BEAD SMD"
J1: "Receptacle Assembly, 9 Position, Right Angle", PackageDocument=O, DatasheetDocument=1-Sep-1999, Gender=Receptacle, LatestRevisionDate=17-Jul-2002, LatestRevisionNote="Re-released for DXP Platform.", Orientation="Right Angle", PackageReference=788750, Positions=9, Published=15-Jun-2001, Publisher="Altium Limited"
K1C1 K1C2 K1C3 K1C4 K4: "SCREW TERMINAL 5MM"
K2 K3: "JMPR2 OPEN BY DEFAULT", Manufacturer="Sullins Connector Solutions", Manufacturer Part Number=PBC36SAAN, Supplier Part Number 1=S1011E-36-ND, Reel=Open, Supplier 1=Digi-Key
K5: library part HEADER-2X5
L2: library part SRR7032, "Bourns SRR7032 Series Inductor"
LED1 LED2 LED3 LED4: "SMD mono-color Chip LED, WL-SMCW, Green", Color=Green, ComponentLink1Description="Manufacturer URL", ComponentLink1URL=http://www.we-online.com, ComponentLink2Description=Datasheet, ComponentLink2URL=http://katalog.we-online.com/led/datasheet/150080GS75000.pdf, PackageReference=0805_A, PartNumber=150080GS75000
Q1C1 Q1C2 Q1C3 Q1C4: "2N3906 SMALL SIGNAL PNP TRANSISTOR", Supplier Part Number 1=MMBT3906LT1GOSCT-ND, Supplier 1=Digi-Key
Q2: "60V P-Channel MOSFET", Current - Continuous Drain (Id) @ 25° C=18A, Drain to Source Voltage (Vdss)=55V, Input Capacitance (Ciss) @ Vds="650pF @ 25V", Manufacturer="International Rectifier", Manufacturer Part Number=IRFR5505TRPBF, Package / Case="DPak, TO-252 (2 leads+tab), SC-63", Power - Max=57W, Supplier Part Number=IRFR5505PBFTR-ND, Supplier Part Number 1=BSP613PH6327XTSA1CT-ND, Category="Discrete Semiconductor Products", FET Feature=Standard, FET Type="MOSFET P-Channel, Metal Oxide", Gate Charge (Qg) @ Vgs="32nC @ 10V", Mounting Type="Surface Mount", Packaging="Tape & Reel (TR)", Rds On (Max) @ Id, Vgs="110 mOhm @ 9.6A, 10V", RoHS="RoHS Compliant", Supplier=Digi-Key, Supplier 1=Digi-Key, Vgs(th) (Max) @ Id="4V @ 250µA"
Q3 Q4 Q5 Q6: "NPN General Purpose Transistor", Supplier Part Number 1=MMBT3904LT1GOSCT-ND, Supplier 1=Digi-Key
R1C1 R1C2 R1C3 R1C4 R2C1 R2C2 R2C3 R2C4 R3C1 R3C2 R3C3 R3C4 R4C1 R4C2 R4C3 R4C4 R5 R6 R7 R8 R9 R10 R11 R12 R13 R14 R15 R16 R17 R18 R19 R20 R21 R22 R23 R24 R25 R26 R27: "Resistor", LatestRevisionDate=17-Jul-2002, LatestRevisionNote="Re-released for DXP Platform.", PackageDescription="Axial Device, Thru-Hole; 2 Leads; 0.3 in Pin Spacing", PackageReference=AXIAL-0.3, Published=8-Jun-2000, Publisher="Altium Limited"
TR1 TR2 TR3 TR4: library part THTRIM-GENERIC
U2C1 U2C2 U2C3 U2C4: "550 uA/Ch, 3 MHz, RRIO Operational Amplifier, 2.7 to 16 V, -40 to 125 degC, 5-pin SOT23 (DBV5), Green (RoHS & no Sb/Br)", Manufacturer="Texas Instruments", Rating=Catalog, Supplier Part Number 1=TLV2371IDBVRG4-ND, Total Supply Voltage(Max)(+5V is 5, +/-5V is 10)=16, Total Supply Voltage(Min)(+5V is 5, +/-5V is 10)=2.7, CMRR(Min)(dB)=50, Code_JEDEC=MO-178, ComponentLink1Description="Manufacturer URL", ComponentLink1URL=http://www.ti.com/, ComponentLink2Description=Datasheet, ComponentLink2URL=http://www.ti.com/lit/ds/symlink/tlv2371.pdf, ComponentLink3Description="Package Specification", ComponentLink3URL=http://www.ti.com/litv/pdf/mpds018i, DatasheetVersion=SLOS270D, Eco-Plan="Green (RoHS & no Sb/Br)", GBW(Typ)(MHz)=3, IIB(Max)(pA)=60, Iq per channel(Max)(mA)=0.9, Mounting Technology="Surface Mount", Number of Channels=1, Offset Drift(Typ)(uV/C)=2, PackageDescription="5-Pin Plastic Small Outline, Body 1.6 x 2.9 mm, Pitch 0.95 mm", PackageReference=DBV5, PackageVersion="4073253-4/K, 03/2006", Packing="LARGE T&R", PartNumber=TLV2371IDBVRG4, Slew Rate(Typ)(V/us)=2.4, Sub Family="Low Supply Voltage Amplifier (<=2.7V), Precision Amplifier", Supplier 1=Digi-Key, Supplier 2=Newark, Supplier 3=Mouser, Supplier Part Number 2=71J7968, Supplier Part Number 3=595-TLV2371IDBVRG4, Vio (25C)(Max)(mV)=4.5
U3: "550 uA/Ch, 3 MHz, RRIO Operational Amplifier, 2.7 to 16 V, -40 to 125 degC, 14-pin SOIC (D14), Green (RoHS & no Sb/Br)", Manufacturer="Texas Instruments", Rating=Catalog, Supplier Part Number 1=TLV2374IDG4-ND, Total Supply Voltage(Max)(+5V is 5, +/-5V is 10)=16, Total Supply Voltage(Min)(+5V is 5, +/-5V is 10)=2.7, CMRR(Min)(dB)=50, Code_JEDEC=MS-012, ComponentLink1Description="Manufacturer URL", ComponentLink1URL=http://www.ti.com/, ComponentLink2Description=Datasheet, ComponentLink2URL=http://www.ti.com/lit/ds/symlink/tlv2374.pdf, ComponentLink3Description="Package Specification", ComponentLink3URL=http://www.ti.com/lit/ml/mpds177g/mpds177g.pdf, DatasheetVersion=SLOS270D, Eco-Plan="Green (RoHS & no Sb/Br)", GBW(Typ)(MHz)=3, IIB(Max)(pA)=60, Iq per channel(Max)(mA)=0.66, Mounting Technology="Surface Mount", Number of Channels=4, Offset Drift(Typ)(uV/C)=2, PackageDescription="14-Pin Plastic Small Outline, Body 8.65 x 3.9 mm, Pitch 1.27 mm", PackageReference=D14, PackageVersion="4040047-5/M, 06/2011", Packing=TUBE, PartNumber=TLV2374IDG4, Slew Rate(Typ)(V/us)=2.4, Sub Family="Low Supply Voltage Amplifier (<=2.7V), Precision Amplifier", Supplier 1=Digi-Key, Supplier 2=Mouser, Supplier Part Number 2=595-TLV2374IDG4, Vio (25C)(Max)(mV)=4.5
U7: "1 A Synchronous Step-Down Converter, 14-pin SON (DE-14), -40 to 150 degC, Pb-Free, Tape and Reel", Frequency Adjust Range="200kHz - 3MHz", Manufacturer="Linear Technology", Supplier Part Number 1=LTC3646HDE-1#TRPBF-ND, Code_JEDEC=MO-229, ComponentLink1Description="Manufacturer URL", ComponentLink1URL=http://www.linear.com/, ComponentLink2Description=Datasheet, ComponentLink2URL=http://cds.linear.com/docs/en/datasheet/36461fa.pdf, ComponentLink3Description="Package Specification", ComponentLink3URL=http://www.linear.com/docs/en/packaging/DFN_14_05-08-1708.pdf, Mounting Technology="Surface Mount", Number of Outputs=1, PackageDescription="14-Pin Plastic DFN, Body 4 x 3 mm, Pitch 0.5 mm", PackageReference=DE-14, PackageVersion="Rev. B, 06/2010", Packing="Tape and Reel", PartNumber=LTC3646HDE-1#TRPBF, RoHS=TRUE, Supplier 1=Digi-Key, Supplier 2=Newark, Supplier Part Number 2=56W0944
U8: "500 mA, Low Noise, LDO Micropower Regulator, 1.8 to 20 V Vin, 3.3 V Vout, 8-pin SOIC (S8-8), -40 to 125 degC, Pb-Free, Tape and Reel", Dropout Voltage(V)=0.3, Manufacturer="Linear Technology", Output Voltage="3.3 V", Shutdown Current(uA)=1, Supplier Part Number 1=LT1763IS8-3.3#TRPBF-ND, ComponentLink1Description="Manufacturer URL", ComponentLink1URL=http://www.linear.com/, ComponentLink2Description=Datasheet, ComponentLink2URL=http://cds.linear.com/docs/en/datasheet/1763fg.pdf, ComponentLink3Description="Package Specification", ComponentLink3URL=http://cds.linear.com/docs/en/packaging/05081610_G_SO8.pdf, DatasheetVersion="Rev. G", Discrete Pass Element=no, Iout(mA)=500, Isupply(mA)=0.03, Mounting Technology="Surface Mount", Noise(uV)=20, Number of Outputs=1, PackageDescription="8-Pin Plastic Small Outline (Narrow .150 Inch), Body 4.9 x 3.9 mm, Pitch 1.27 mm", PackageReference=S8-8, PackageVersion="Rev. G, 03/2012", Packing="Tape and Reel", PartNumber=LT1763IS8-3.3#TRPBF, PSRR(dB)=65, RoHS=TRUE, Supplier 1=Digi-Key, Supplier 2=Newark, Supplier Part Number 2=19P9353, Vin Max(V)=20, Vin Min(V)=1.8
Y1: library part ABMM2-8.000MHZ-E2-T, "ABMM2-8.000MHZ-E2-T", Package="SMD-4 Abracon LLC", Supplier Part Number 1=535-9628-1-ND, Availability=Unavailable, MF="Abracon LLC", MP=ABMM2-24.000MHZ-E2, Price=None, SnapEDA_Link=https://www.snapeda.com/parts/ABMM2-24.000MHZ-E2/Abracon%20LLC/view-part/629906/?ref=snap, Supplier 1=Digi-Key

## Free pads (board coordinates)
  round 236.22 hole 126: 2(1300,1675) 2(1300,4905) 2(5630,1675) 2(5630,4905)

## Via types
v1: diameter 17.72, hole 7.87, Top Layer to Bottom Layer, 89 vias
v2: diameter 19.68, hole 7.87, Top Layer to Bottom Layer, 47 vias
v3: diameter 50, hole 28, Top Layer to Bottom Layer, 10 vias

## Nets (pads, with @x,y where several pads share a name; then routed paths per layer and width w, separated by ;. In a path a pad name is that pad's centre, name@x,y a point inside that pad or via, vN(x,y) a via of type N, cw(c..) or ccw(c..) an arc to the next point about the centre after c; other vN are vias at no path point)
AICHN1: C5.1 TR1.2 TR1.W U3.1 U5.6 | length 1990.9
  Top Layer w10: U5.6@3655.02,2543.24 3698.57,2543.24 3709.32,2554 v1(3710.68,2554) ; U3.1@3882.29,3767 3876,3773.29 U3.1@3876,3794.49 v1(3876,3858) 3876,4061.49 C5.1@3871,4066.49 3996.47,4066.49 4006.47,4056.49 TR1.W@4020,4056.49 TR1.2@4020,3956.49
  Bottom Layer w10: v1(3710.68,2554) 3712,2554 3855,2697 3855,3837 v1(3876,3858) ; TR1.W@4019.85,4056.64 TR1.W@4020,4056.49
AICHN2: C6.1 TR2.2 TR2.W U3.7 U5.7 | length 1967.2
  Top Layer w10: TR2.2@3431,3956.49 TR2.W@3431,4056.49 3440,4065.49 C6.1@3579,4065.49 ; U3.7@3575,3793.49 U3.7@3576,3794.49 v1(3576,3858) 3576,4062.49 C6.1@3579,4065.49 ; C6.1@3580,4066.49 C6.1@3579,4065.49 ; U5.7@3655.02,2574.74 3693.43,2574.74 3710.68,2592 v1(3710.68,2594)
  Bottom Layer w10: v1(3576,3858) 3778,3656 3778,2661.32 v1(3710.68,2594)
AICHN3: C7.1 TR3.2 TR3.W U3.8 U5.8 | length 1566.3
  Top Layer w10: TR3.2@3431,3443.49 TR3.W@3431,3343.49 3444.53,3343.49 3458.53,3329.49 C7.1@3582,3329.49 ; U3.8@3576,3605.51 3576,3337.49 C7.1@3580,3333.49 ; U5.8@3655.02,2606.24 3657.25,2608.47 3686.15,2608.47 3710.68,2633 v1(3710.68,2634)
  Bottom Layer w10: v1(3576,3546) 3576,3105 3711,2970 3711,2634.32 v1(3710.68,2634)
AICHN4: C8.1 TR4.2 TR4.W U3.14 U5.9 | length 1546.6
  Top Layer w10: U5.9@3598.92,2662.34 3598.92,2704.92 3634,2740 3634,2941 v1(3877,3184) ; U3.14@3882.29,3639 3876,3632.71 U3.14@3876,3605.51 v1(3876,3530) 3876,3330.49 3875,3329.49 3992.47,3329.49 4006.47,3343.49 TR4.W@4020,3343.49 TR4.2@4020,3443.49
  Bottom Layer w10: v1(3876,3530) 3877,3529 v1(3877,3184)
AINC1_N: D3C1.A FB2C1.1 K1C1.1 | length 565.1
  Top Layer w10: FB2C1.1@5388.41,4457 FB2C1.1@5388.41,4462 ; D3C1.A@5569.41,4516.76 D3C1.A@5579.25,4516.76
  Top Layer w15: FB2C1.1@5388.41,4462 5443.17,4516.76 D3C1.A@5569.41,4516.76 ; D3C1.A@5579.25,4516.76 5636.3,4573.82 K1C1.1@5902.17,4573.82
AINC1_P: D3C1.K FB1C1.1 K1C1.2 | length 515.1
  Top Layer w10: FB1C1.1@5388.41,4377 FB1C1.1@5389.19,4377.79
  Top Layer w15: FB1C1.1@5388.41,4377 D3C1.K@5569.41,4377 K1C1.2@5902.41,4377
AINC2_N: D3C2.A FB2C2.1 K1C2.1 | length 565.1
  Top Layer w10: FB2C2.1@5388.41,3628 FB2C2.1@5388.41,3633 ; D3C2.A@5569.41,3687.76 D3C2.A@5579.25,3687.76
  Top Layer w15: FB2C2.1@5388.41,3633 5443.17,3687.76 D3C2.A@5569.41,3687.76 ; D3C2.A@5579.25,3687.76 5636.3,3744.82 K1C2.1@5902.17,3744.82
AINC2_P: D3C2.K FB1C2.1 K1C2.2 | length 515.1
  Top Layer w10: FB1C2.1@5388.41,3548 FB1C2.1@5389.19,3548.79
  Top Layer w15: FB1C2.1@5388.41,3548 D3C2.K@5569.41,3548 K1C2.2@5902.41,3548
AINC3_N: D3C3.A FB2C3.1 K1C3.1 | length 565.1
  Top Layer w10: FB2C3.1@5388.41,2799 FB2C3.1@5388.41,2804 ; D3C3.A@5569.41,2858.76 D3C3.A@5579.25,2858.76
  Top Layer w15: FB2C3.1@5388.41,2804 5443.17,2858.76 D3C3.A@5569.41,2858.76 ; D3C3.A@5579.25,2858.76 5636.3,2915.82 K1C3.1@5902.17,2915.82
AINC3_P: D3C3.K FB1C3.1 K1C3.2 | length 515.1
  Top Layer w10: FB1C3.1@5388.41,2719 FB1C3.1@5389.19,2719.79
  Top Layer w15: FB1C3.1@5388.41,2719 D3C3.K@5569.41,2719 K1C3.2@5902.41,2719
AINC4_N: D3C4.A FB2C4.1 K1C4.1 | length 565.1
  Top Layer w10: FB2C4.1@5388.41,1970 FB2C4.1@5388.41,1975 ; D3C4.A@5569.41,2029.76 D3C4.A@5579.25,2029.76
  Top Layer w15: FB2C4.1@5388.41,1975 5443.17,2029.76 D3C4.A@5569.41,2029.76 ; D3C4.A@5579.25,2029.76 5636.3,2086.82 K1C4.1@5902.17,2086.82
AINC4_P: D3C4.K FB1C4.1 K1C4.2 | length 515.1
  Top Layer w10: FB1C4.1@5388.41,1890 FB1C4.1@5389.19,1890.79
  Top Layer w15: FB1C4.1@5388.41,1890 D3C4.K@5569.41,1890 K1C4.2@5902.41,1890
ATEMP: C17.2 U5.14 U6.2 | length 218.4
  Top Layer w10: U5.14@3441.44,2662.34 U6.2@3441.44,2812.76 ; U6.2@3446.68,2818 C17.2@3514.68,2818
AVDD: C15.2 C25.2 FB5.2 U5.5 | length 698
  Top Layer w10: U5.5@3655.02,2511.75 3711.43,2511.75 3740.68,2541 3740.68,2728 3739.68,2729 ; C15.2@3674.68,2818 3674.68,2740 3685.68,2729 3739.68,2729 ; C25.2@3754.68,2818 3751.68,2815 3751.68,2729 ; FB5.2@3834.68,2818 3834.68,2746 3817.68,2729 3751.68,2729 ; 3739.68,2729 3751.68,2729